# KiCad board jetson-nano-baseboard.kicad_pcb (continued)
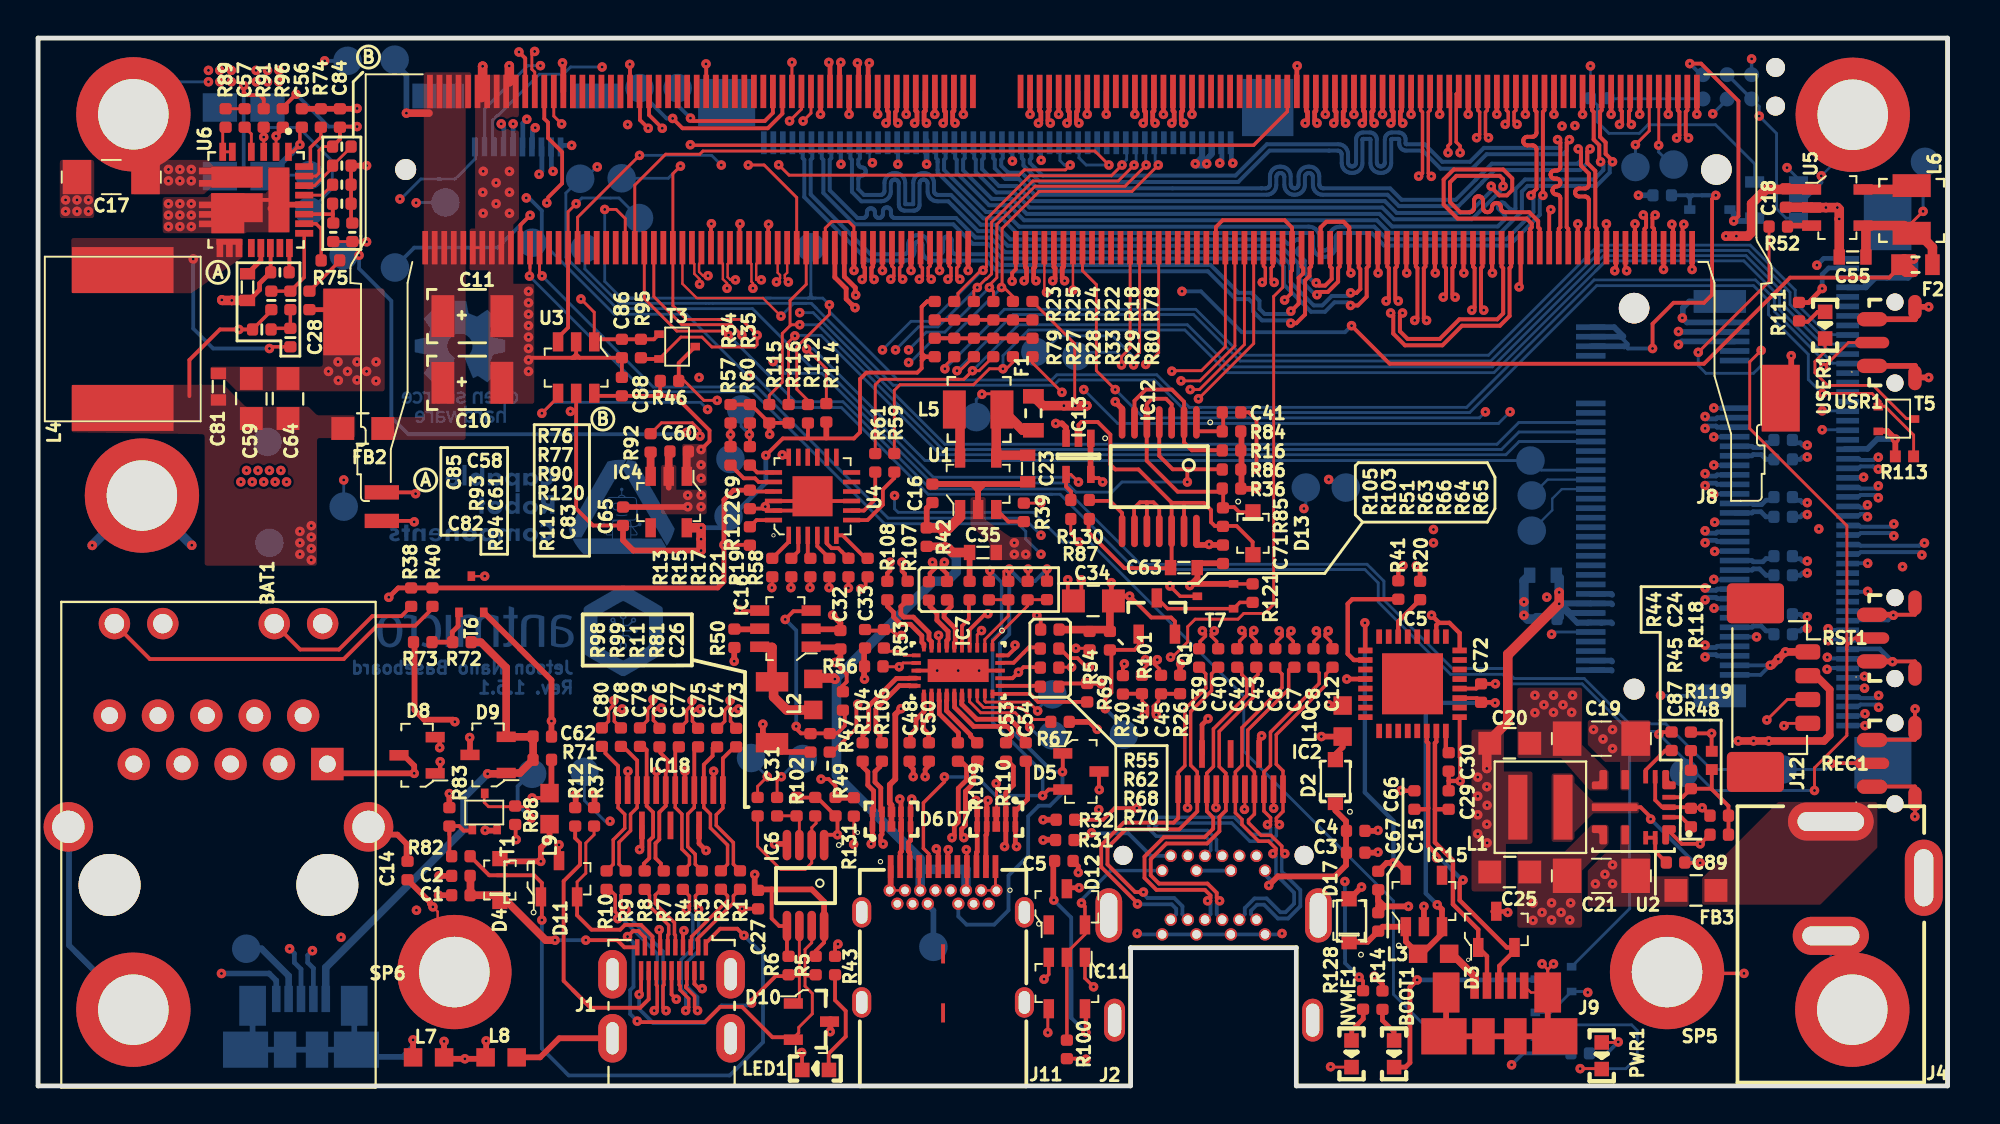
[diagram p0: board, top side]
## Routing (per net, layer and track width the routed paths; a pad name or vN(x,y) marks a point on that pad's centre or on a via; arc(x,y) is an arc through that point) (continued)
TMDS_HPD: length 63.5
  Top w0.15: M1.96 63.32,38.91 60.96,36.55 v1(60.47,36.55) ; 23.42,15.3 23.42,14.88 23.64,14.66 25.58,14.66 25.88,14.35 v1(25.88,14.05)
  In3_SIGNAL.Cu w0.15: v1(25.88,14.05) 26.57,14.73 38.28,14.73 40.84,17.3 40.84,22.28 45.84,27.29 45.84,29.04 49.25,32.44 56.82,32.44 60.35,35.97 60.35,36.42 v1(60.47,36.55)
  Bottom w0.2: v1(25.88,14.05) 25.17,14.76 25.17,15.72 25.93,16.49
UART1_RX: length 57
  Top w0.15: 25.82,42.94 M1.238 25.82,42.53 v1(25.79,42.51)
  Top w0.25: R20.2 72.54,27.11 v1(72.34,27.31)
  In5_3V3_SYS_SIGNAL.Cu w0.15: v1(72.34,27.31) 71.84,26.81 56.94,26.81 56.54,27.21 54.34,27.21 53.64,27.91 v1(52.64,27.91)
  Bottom w0.15: v1(52.64,27.91) 51.84,28.71 51.84,29.11 51.44,29.51 44.43,29.51 37.5,36.43 31.86,36.43 v1(25.79,42.51)
UART1_TX: length 55.1
  Top w0.15: 26.32,43.02 M1.236 26.32,42.65 v1(26.45,42.52)
  Top w0.23: R41.2 71.4,27.06 v1(71.64,27.31)
  In5_3V3_SYS_SIGNAL.Cu w0.15: v1(52.64,28.91) 53.14,28.41 53.64,28.41 54.44,27.61 56.64,27.61 57.14,27.11 71.44,27.11 v1(71.64,27.31)
  Bottom w0.15: v1(26.45,42.52) 32.29,36.68 37.73,36.68 44.61,29.81 51.74,29.81 v1(52.64,28.91)
USB1_D_N: length 66.5
  Top w0.25: v1(58.63,50.54) 58.51,50.66 58.51,51.12 58.57,51.19 58.57,52.2 ; J11.A7 47.75,12.38 v1(47.77,12.4)
  In2_SINGAL.Cu w0.16: J11.B7 47.1,11.15 44.13,14.12 44.13,25.9 40.8,29.24 40.8,45.33 42.71,47.24 42.71,48.97 43.15,49.41 43.15,51.32 43.89,52.06 57.86,52.06 58.46,51.46 58.46,50.71 v1(58.63,50.54)
  In3_SIGNAL.Cu w0.2: J11.B7 47.1,10.97 47.77,11.64 47.77,12.39
USB1_D_P: length 66.1
  Top w0.25: v1(58.01,50.54) 58.13,50.66 58.13,51.12 58.07,51.19 58.07,52.2 ; v1(47.15,12.44) 47.25,12.34 J11.A6
  In2_SINGAL.Cu w0.16: v1(58.01,50.54) 58.18,50.71 58.18,51.34 57.74,51.77 44.01,51.77 43.43,51.2 43.43,49.29 43,48.86 43,47.13 41.08,45.21 41.08,29.36 44.42,26.02 44.42,14.24 47.9,10.75 J11.B6
  In2_SINGAL.Cu w0.2: 47.18,12.37 47.14,12.4 47.15,12.41 v1(47.15,12.44)
  In5_3V3_SYS_SIGNAL.Cu w0.175: v1(47.15,12.44) 47.15,11.83 47.9,11.07 J11.B6
USBC_VBUS: length 41.9
  Top w0.15: 42.82,14.16 42.82,12.7 v1(42.81,12.68)
  Top w0.18: J11.B4 48.75,10.31 J11.A9 48.75,12.37 v1(48.72,12.4) ; J11.A4 46.25,10.31 J11.B9
  Top w0.3: 47.6,28.4 v1(47.77,28.22) ; 48.78,28 48.89,27.89 48.89,26.48 48.87,26.51
  Top w0.4: R42.2 47.67,28.32 v1(47.77,28.22)
  Top w0.5: L2.2 40.74,21.41 41.76,21.41 41.83,21.34 ; v1(47.77,28.22) 47.99,28 48.78,28
  In3_SIGNAL.Cu w0.15: J11.B9 46.3,10.96 45.7,11.56 43.55,11.56 42.93,12.18 42.93,12.56 v1(42.81,12.68)
  Bottom w0.5: v1(47.77,28.22) 47.77,28.17 48.2,27.75 48.2,26.98 47.71,26.5 46.99,26.5 41.91,21.41 41.91,16.31 46.3,11.91 46.3,11.37 ; J11.B4 48.7,11.37 46.3,11.37 ; 46.3,11.37 J11.B9
  vias: v1(41.82,21.35)
USBSS_RX6_N: length 30.3
  Top w0.23: 44.57,26.48 44.57,26.91 44.72,27.05 44.72,27.38 ; 45.07,52.2 45.07,51.19 45,51.11 45,50.67 v1(45.13,50.54) ; 45.07,50.57 45.13,50.51
  In2_SINGAL.Cu w0.16: v1(44.72,27.49) 44.89,27.32 44.89,27.1 44.71,26.92 44.5,26.92 42.33,29.09 42.33,44.96 43.28,45.9 43.31,45.93 43.35,45.95 43.4,45.96 43.44,45.96 43.48,45.95 43.52,45.93 43.56,45.9 43.73,45.73 43.77,45.7 43.81,45.68 43.85,45.67 43.9,45.67 43.94,45.68 43.98,45.7 44.02,45.73 44.04,45.76 44.06,45.8 44.07,45.85 44.07,45.89 44.06,45.93 44.04,45.97 44.02,46.01 43.84,46.18 43.81,46.22 43.8,46.26 43.79,46.3 43.79,46.35 43.8,46.39 43.81,46.43 43.84,46.47 44.54,47.16 44.54,49.27 44.96,49.69 44.96,50.37 v1(45.13,50.54)
USBSS_RX6_P: length 30.3
  Top w0.23: v1(44.51,50.54) 44.64,50.67 44.64,51.11 44.57,51.19 44.57,52.2 ; 45.49,26.48 45.49,26.88 45.34,27.02 45.34,27.38 ; 44.51,50.51 44.57,50.57
  In2_SINGAL.Cu w0.16: v1(45.34,27.49) 45.17,27.32 45.17,26.98 44.83,26.64 44.38,26.64 42.05,28.97 42.05,45.14 44.25,47.34 44.25,49.39 44.68,49.81 44.68,50.37 v1(44.51,50.54)
USBSS_TX6_N: length 30
  Top w0.23: 46.81,26.48 46.81,26.91 47.08,27.18 47.08,27.39 46.98,27.49 v1(46.95,27.49) ; 43.82,44 43.82,43.01 43.75,42.94 43.75,42.47 v1(43.88,42.33)
  In2_SINGAL.Cu w0.16: v1(46.95,27.49) 47.09,27.34 47.09,26.95 46.89,26.75 46.44,26.75 46.28,26.91 46.28,28.12 45.91,28.48 45.02,28.48 43.71,29.8 43.71,31.97 43.72,32 43.73,32.03 43.75,32.07 43.77,32.09 43.8,32.11 43.84,32.12 43.87,32.13 44.15,32.13 44.18,32.13 44.22,32.14 44.25,32.16 44.27,32.19 44.29,32.22 44.3,32.25 44.31,32.29 44.3,32.32 44.29,32.35 44.27,32.39 44.25,32.41 44.22,32.43 44.18,32.44 44.15,32.45 43.87,32.45 43.84,32.45 43.8,32.46 43.77,32.48 43.75,32.51 43.73,32.54 43.72,32.57 43.71,32.61 43.71,38.19 43.7,38.29 43.67,38.38 43.61,38.47 43.55,38.54 43.46,38.59 43.37,38.62 43.27,38.63 43.1,38.63 43.06,38.64 43.02,38.65 42.99,38.67 42.96,38.7 42.94,38.74 42.92,38.78 42.92,38.82 42.92,38.92 42.92,38.96 42.94,39 42.96,39.03 42.99,39.06 43.02,39.08 43.06,39.09 43.1,39.1 45.07,39.1 45.17,39.11 45.28,39.15 45.37,39.21 45.45,39.28 45.51,39.38 45.54,39.48 45.55,39.59 45.55,39.65 45.54,39.75 45.51,39.86 45.45,39.95 45.37,40.03 45.28,40.09 45.17,40.12 45.07,40.13 43.94,40.13 43.89,40.14 43.84,40.16 43.8,40.18 43.76,40.22 43.73,40.27 43.72,40.31 43.71,40.37 43.72,40.42 43.73,40.47 43.76,40.51 43.8,40.55 43.84,40.58 43.89,40.59 43.94,40.6 45.07,40.6 45.17,40.61 45.28,40.65 45.37,40.71 45.45,40.78 45.51,40.88 45.54,40.98 45.55,41.09 45.55,41.15 45.54,41.25 45.51,41.36 45.45,41.45 45.37,41.53 45.28,41.59 45.17,41.62 45.07,41.63 43.94,41.63 43.89,41.64 43.84,41.66 43.8,41.68 43.76,41.72 43.73,41.77 43.72,41.81 43.71,41.87 43.71,42.16 v1(43.88,42.33)
USBSS_TX6_P: length 30
  Top w0.23: 47.71,26.48 47.71,26.88 47.44,27.15 47.44,27.39 47.53,27.49 v1(47.57,27.49) ; v1(43.26,42.33) 43.39,42.47 43.39,42.94 43.32,43.01 43.32,44
  In2_SINGAL.Cu w0.16: v1(43.26,42.33) 43.43,42.16 43.43,41.84 43.44,41.73 43.47,41.63 43.53,41.53 43.61,41.46 43.7,41.4 43.81,41.36 43.91,41.35 45.04,41.35 45.09,41.34 45.14,41.33 45.18,41.3 45.22,41.26 45.25,41.22 45.26,41.17 45.27,41.12 45.26,41.06 45.25,41.02 45.22,40.97 45.18,40.93 45.14,40.91 45.09,40.89 45.04,40.88 43.91,40.88 43.81,40.87 43.7,40.84 43.61,40.78 43.53,40.7 43.47,40.61 43.44,40.5 43.43,40.4 43.43,40.34 43.44,40.23 43.47,40.13 43.53,40.03 43.61,39.96 43.7,39.9 43.81,39.86 43.91,39.85 45.04,39.85 45.09,39.84 45.14,39.83 45.18,39.8 45.22,39.76 45.25,39.72 45.26,39.67 45.27,39.62 45.26,39.56 45.25,39.52 45.22,39.47 45.18,39.43 45.14,39.41 45.09,39.39 45.04,39.38 43.07,39.38 42.98,39.37 42.88,39.34 42.8,39.29 42.73,39.22 42.68,39.13 42.64,39.04 42.63,38.94 42.63,38.79 42.64,38.69 42.68,38.6 42.73,38.51 42.8,38.45 42.88,38.39 42.98,38.36 43.07,38.35 43.24,38.35 43.28,38.34 43.32,38.33 43.36,38.31 43.39,38.28 43.41,38.25 43.42,38.21 43.43,38.17 43.43,29.68 44.91,28.2 45.74,28.2 45.99,27.95 45.99,26.79 46.32,26.46 47.01,26.46 47.4,26.85 47.4,27.54
USR_BUTTON: length 92.1
  Top w0.15: v1(93.72,37.72) 95.02,39.02 USR1.2 ; 40.41,35.98 39.82,36.56 39.82,38.79 41.54,40.5 v1(41.54,41) ; M1.218 30.82,45.53 30.34,46.01 v1(29.74,46.01)
  Bottom w0.15: 40.56,41.47 40.45,41.35 40.4,41.35 ; 40.56,41.47 40.56,41.59 ; 40.56,41.47 40.68,41.35 40.8,41.35 ; 31.19,41.35 38.2,41.35 ; 31.19,41.35 30.62,41.35 29.74,42.23 v1(29.74,46.01) ; 31.19,41.35 30.7,41.35 ; 38.44,41.35 38.2,41.35 ; 38.2,41.35 40.4,41.35 ; 40.4,41.35 40.6,41.35 ; 40.56,41.59 40.56,41.39 40.6,41.35 ; 40.56,41.59 40.56,44 ; 40.6,41.35 40.8,41.35 ; 40.8,41.35 41.18,41.35 v1(41.54,41) 41.54,40.65 45.13,37.05 53.2,37.05 53.47,37.33 58.72,37.33 60.43,35.62 61.03,35.62 74.99,35.62 81.67,42.31 90.14,42.31 91.13,41.32 91.13,40.66 93.72,38.07 v1(93.72,37.72)
USR_LED: length 92.4
  Top w0.125: M1.206 33.82,42.11 34.57,41.36 38.04,41.36 v1(38.99,40.41)
  Top w0.15: R113.1 98.45,34.17 96.93,35.68 96.68,35.68 96.68,35.93 96.26,36.35 v1(93.65,36.35) ; 33.79,44.03 M1.206
  Bottom w0.15: 40.31,41.08 40.59,41.08 40.83,40.83 ; 40.31,41.08 39.66,41.08 v1(38.99,40.41) ; 40.31,41.08 30.51,41.08 28.7,42.88 TP35.1 ; 40.61,41.05 40.83,40.83 ; 40.83,40.83 44.88,36.78 53.31,36.78 53.59,37.05 58.59,37.05 60.3,35.34 75.14,35.34 81.81,42.01 90.04,42.01 90.83,41.22 90.83,40.49 92.92,38.4 92.92,37.08 v1(93.65,36.35)
VSYNC_CAM1_1: length 31.6
  Top w0.15: 51.77,48.08 53.92,48.08 v1(54.18,48.34) ; 51.77,48.08 51.61,47.93 ; 51.77,48.08 51.49,47.81 39.42,47.81 v1(38.87,48.35) ; M1.228 28.32,45.59 v1(31.57,48.84)
  In2_SINGAL.Cu w0.15: v1(38.87,48.35) 38.87,48.34 38.42,47.89 36.26,47.89 35.86,48.29 v1(35.86,48.34)
  Bottom w0.15: v1(35.86,48.34) 35.35,48.84 v1(31.57,48.84) ; v1(54.18,48.34) 53.87,48.34 53.63,48.57 53.63,49.42
VSYNC_CAM1_2: length 31.7
  Top w0.15: v1(56.21,48.34) 55.47,49.07 34.9,49.07 34.73,48.91 32.94,48.91 31.32,47.28 M1.216
  Bottom w0.15: 54.63,49.42 54.63,48.72 54.63,48.72 55.01,48.34 v1(56.21,48.34)
VSYNC_CAM2_1: length 52.9
  Top w0.15: M1.114 58.82,38.48 58.19,37.85 58.16,37.87 v1(58.14,37.87)
  In2_SINGAL.Cu w0.125: v1(58.14,37.87) 57.62,38.39 56.41,38.39 55.57,37.55 55.57,37.54
  In2_SINGAL.Cu w0.15: v1(93.65,34.44) 91.87,36.22 78.1,36.22 v1(77.26,35.38) ; v1(54.89,36.55) 54.89,36.86 55.57,37.54
  Bottom w0.15: v1(54.89,36.55) 56.66,34.77 76.65,34.77 v1(77.26,35.38) ; 94.84,34.44 94.84,34.44 v1(93.65,34.44)
VSYNC_CAM2_2: length 48.2
  Top w0.15: v1(56.54,36.55) 55.55,37.54 55.55,42.06 54.82,42.79 M1.130
  In2_SINGAL.Cu w0.15: v1(75.97,35.38) 77.14,36.55 92.53,36.55 v1(93.65,35.43)
  Bottom w0.15: 94.84,35.44 94.84,35.43 v1(93.65,35.43) ; v1(75.97,35.38) 75.65,35.07 58.02,35.07 56.54,36.55 v1(56.54,36.55)
Net-(BOOT1-PadA): length 1.9
  Top w0.25: 70.57,4.02 70.57,3.44 71.17,2.84 71.17,2.39 BOOT1.A
Net-(BOOT1-PadK): length 11.5
  Top w0.25: BOOT1.K 71.77,0.99 72.01,1.22 72.01,5.18 v1(72.39,5.56)
  Bottom w0.25: v1(72.39,5.56) 78.43,5.56
Net-(C1-Pad2): length 11
  Top w0.2: v1(28.75,7.65) 30.4,7.65 30.77,7.28 J1.19
  Top w0.4: 22.69,11.02 22.69,10.01 22.74,9.96 ; v1(27.14,7.65) 26.64,7.65 24.29,10.01 C1.2
  Bottom w0.2: v1(28.75,7.65) v1(27.14,7.65)
Net-(C3-Pad2): length 9
  Top w0.3: 68.09,14.95 68.09,14.45 68.65,13.89 68.65,11.58 68.07,11 65.07,11 v1(64.6,10.52)
  Bottom w0.22: v1(64.6,10.52) 64.65,10.58 64.65,10.84 64.4,11.09 J2.20
Net-(C23-Pad1): length 9.5
  Top w0.15: L5.2 50.59,35.96 50.22,36.33 49.54,36.33
  Top w0.5: C23.1 50.44,33.11 U1.4 50.29,35.21 L5.2 51.68,34.42 F1.1
  Bottom w0.15: 49.54,36.33 49.24,36.03 TP5.1
  vias: v1(49.54,36.31)
Net-(C24-Pad2): length 1
  Top w0.2: C24.2 R45.1
Net-(C28-Pad2): length 2.3
  Top w0.18: C28.2 15.83,43.3 R75.2
Net-(C30-Pad2): length 1.2
  Top w0.23: C30.2 73.89,17.64 73.89,18.63
Net-(C31-Pad2): length 5.4
  Top w0.5: L2.1 39.29,19.73 38.61,20.42 38.61,21.13 C31.2 38.52,23.02 38.12,23.02
Net-(C55-Pad1): length 10.8
  Top w0.15: v1(98.94,45.91) 98.34,45.31 L6.2
  Top w0.5: F2.2 99.43,44.02 98.69,44.76 L6.2 97.94,45.16 U5.4 95.94,45.01 C55.1
  Bottom w0.15: TP8.1 98.94,48.41 v1(98.94,45.91)
Net-(C57-Pad2): length 1
  Top w0.15: C57.2 R89.1
Net-(C61-Pad2): length 4.3
  Top w0.18: 13.97,44.76 13.97,42.44 C61.2 R93.2
Net-(C62-Pad2): length 26.7
  Top w0.4: v1(23.59,16.38) 24.53,16.38 D9.1 25.29,16.42 25.98,17.12 25.98,18.34 25.97,18.32 D9.2 24.57,21.96 23.24,23.29 22.73,23.29
  Bottom w0.4: J5.1 15.1,6.21 22.36,13.47 22.36,15.14 v1(23.59,16.38)
Net-(IC4-Pad3): length 1.3
  Top w0.406: R92.1 32.15,32
Net-(IC5-Pad2): length 6.4
  Top w0.23: R41.1 68.98,25.55 68.74,25.31 68.74,22.68 69.06,22.36 IC5.2
Net-(IC5-Pad30): length 2.4
  Top w0.23: IC5.30 71.39,24.37 R20.1
Net-(IC6-Pad2): length 7.7
  Top w0.15: 37.77,14.18 37.77,12.57 38.99,11.35 40.26,11.35 40.61,11.7 IC6.2 40.61,12.65 40.61,13.56 40.83,13.79 40.83,14.18
Net-(IC6-Pad3): length 2.6
  Top w0.15: 39.96,12.64 39.96,14.03 39.81,14.18 38.79,14.18
Net-(IC7-Pad3): length 7.2
  Top w0.15: v1(54.47,22.97) 55.25,22.97 55.27,22.98 ; v1(49.52,23.9) 49.29,23.68 IC7.3
  In2_SINGAL.Cu w0.15: v1(49.52,23.9) 49.54,23.93 53.51,23.93 v1(54.47,22.97)
Net-(IC7-Pad4): length 5.9
  Top w0.2: v1(52.43,24.7) 52.63,24.5 52.63,23.81 ; v1(49.85,24.78) 49.73,24.78 48.89,23.95 IC7.4
  In2_SINGAL.Cu w0.2: 52.34,24.62 52.17,24.78 v1(49.85,24.78) ; v1(52.43,24.7) 52.36,24.63 52.36,24.6
Net-(IC7-Pad5): length 2.7
  Top w0.2: IC7.5 48.49,24.14 48.86,24.5 48.86,25.48 48.89,25.52
Net-(IC7-Pad11): length 1.7
  Top w0.15: IC7.11 45.45,22.6 45.23,22.82 44.56,22.82 44.47,22.9
Net-(IC7-Pad29): length 2.5
  Top w0.2: 52.61,23.02 52.01,23.02 51.73,22.74 51.73,22.74 51.2,22.21 50.5,22.21 IC7.29
Net-(IC12-Pad2): length 8.6
  Top w0.2: IC12.6 57.55,35.96 58.14,36.55 59.51,36.55 60.15,35.91 IC12.2 60.15,33.78 60.56,33.36 62.2,33.36
Net-(IC12-Pad8): length 2.9
  Top w0.2: IC12.8 56.9,30.07 56.26,30.71 55.16,30.71
Net-(IC12-Pad10): length 5.5
  Top w0.2: IC12.11 58.85,30.33 58.54,30.63 58.19,30.63 ; IC12.9 57.53,29.15 57.53,30.33 57.83,30.63 58.19,30.63 ; IC12.10 58.2,30.62 58.19,30.63
Net-(IC16-Pad3): length 10.9
  Top w0.2: 40.32,24.92 39.65,24.92 v1(39.21,24.49) ; v1(39.79,18.87) 39.79,18.76 40.04,18.51 41.94,18.51 42.34,18.91 42.34,19.51 42.21,19.64
  Bottom w0.2: v1(39.79,18.87) 39.79,23.91 v1(39.21,24.49)
Net-(IC16-Pad4): length 26.7
  Top w0.2: 40.1,0.91 40.1,1.59 40.08,1.62 v1(40.08,1.75) ; 38.12,24.92 36.88,24.92 v1(36.83,24.97)
  In2_SINGAL.Cu w0.2: v1(40.08,1.75) 40.08,9.93 37.44,12.57 37.44,23.81 36.83,24.42 v1(36.83,24.97)
Net-(IC16-Pad5): length 1.6
  Top w0.3: 36.54,23.97 38.12,23.97 38.12,23.97
Net-(J1-Pad16): length 17.3
  Top w0.15: 28.19,13 28.19,13.64
  Top w0.2: 29,4.1 31.6,4.1 32.05,4.55 J1.16 ; 29,4.1 27.59,5.51 27.59,10.75 28.45,11.61 28.45,12.75 28.19,13 R12.2 ; 29,4.1 28.06,5.04
Net-(J3-Pad12): length 8.7
  Top w0.2: R38.1 19.07,24.66 17.54,24.66 15.79,22.91 13.76,22.91 J3.12
Net-(J3-Pad14): length 18.7
  Top w0.2: J3.14 5.87,22.41 16.04,22.41 17.79,24.16 19.79,24.16 20.7,25.06 R40.2
Net-(J5-Pad4): length 4
  Bottom w0.35: J5.4 13.15,5.78 11.73,7.2 TP22.1
Net-(J8-Pad10): length 35.9
  Top w0.15: NVME1.K 67.86,0.99 v1(67.84,1.01)
  Top w0.25: NVME1.K 68.96,0.97
  In3_SIGNAL.Cu w0.15: v1(79.44,23.71) 71.34,23.71 69.74,22.11 69.74,11.51 70.19,11.06 70.19,9.26 68.04,7.11 68.04,1.21 v1(67.84,1.01)
  Bottom w0.15: v1(79.44,23.71) 79.56,23.82 J8.10
Net-(J8-Pad40): length 4.4
  Bottom w0.125: J8.40 79.98,31.32 79.48,30.82 79.48,30.22 TP20.1
Net-(J8-Pad42): length 3.4
  Bottom w0.125: TP7.1 79.23,31.82 J8.42
Net-(J9-Pad1): length 2.3
  Top w0.4: J9.1 75.4,5.74 74.21,6.93 L3.1
Net-(J11-PadB8): length 2.3
  Bottom w0.3: 46.69,9.5 46.99,9.2 TP19.1
Net-(L5-Pad1): length 2.7
  Top w0.5: U1.5 48.39,35.21 L5.1
Net-(L6-Pad1): length 2.6
  Top w0.5: U5.5 98.14,47.06 L6.1
Net-(LED1-PadA): length 5.5
  Top w0.2: 41.5,0.91 41.5,1.7 42.39,2.59 42.39,3.94 41.83,4.5 41.83,5.77
Net-(M1-Pad9): length 4.3
  Top w0.15: v1(85.06,49.38) 85.07,49.38 M1.9
  Bottom w0.15: 85.85,48.24 85.06,49.02 v1(85.06,49.38)
Net-(M1-Pad11): length 4.3
  Top w0.15: M1.11 84.57,50.13 v1(83.84,49.4)
  Bottom w0.15: TP4.1 v1(83.84,49.4)
Net-(M1-Pad118): length 12.6
  Top w0.15: v1(57.5,37.85) 57.5,38.18 57.82,38.49 M1.118
  Bottom w0.15: v1(57.5,37.85) 57.5,38.25 56.39,39.37 53.59,39.37 52.53,38.3
Net-(M1-Pad120): length 9.3
  Top w0.15: v1(56.87,37.85) 56.87,38.28 57.32,38.73 M1.120
  Bottom w0.15: TP6.1 54.71,38.51 56.64,38.51 56.87,38.28 v1(56.87,37.85)
Net-(NVME1-PadA): length 1.9
  Top w0.25: 69.56,4.1 69.56,3.52 68.95,2.92 68.95,2.47 ; 68.93,2.39 NVME1.A
Net-(PWR1-PadA): length 2.6
  Top w0.15: PWR1.A 82.92,2.28 v1(82.94,2.31)
  Bottom w0.2: 81.43,1.71 82.34,1.71 v1(82.94,2.31)
Net-(PWR1-PadK): length 9.4
  Top w0.15: v1(80.94,0.91) 82.05,0.91 PWR1.K
  Top w0.25: 82.04,0.91 PWR1.K
  Bottom w0.15: T4.3 83.64,3.21 83.94,2.91 83.94,1.51 83.34,0.91 v1(80.94,0.91)
Net-(Q1-Pad3): length 5.5
  Top w0.18: R121.2 63.08,25.38 T7.1 59.29,25.05 Q1.3
  Top w0.2: Q1.3 58.72,25.68
Net-(R13-Pad2): length 1.7
  Top w0.2: U4.1 39.4,28.56 R13.2
  Top w0.25: 38.54,27.69 38.54,27.86
Net-(R15-Pad2): length 1.4
  Top w0.2: R15.2 39.9,28.06 U4.2
  Top w0.25: 39.53,27.69 39.54,27.69
Net-(R17-Pad2): length 1.3
  Top w0.2: R17.2 40.4,27.83 U4.3
  Top w0.25: 40.54,27.69 40.59,27.74
Net-(R18-Pad1): length 5.1
  Top w0.2: 52.19,40.21 47.06,40.21
Net-(R19-Pad2): length 2.1
  Top w0.2: U4.5 41.4,28.47 41.64,28.23 42,28.23 R19.2
  Top w0.25: 42.54,27.69 42.54,27.88
Net-(R21-Pad2): length 1.5
  Top w0.2: R21.2 40.9,28.33 U4.4
Net-(R27-Pad1): length 5.1
  Top w0.2: 52.19,39.24 47.06,39.24
Net-(R39-Pad1): length 1.7
  Top w0.2: R39.1 50.93,29.62 U1.3
Net-(R49-Pad1): length 26
  Top w0.18: R49.1 41.7,17.52 42.95,18.77 ; v1(59.41,26.24) 59.95,25.7 T7.3
  Top w0.2: 42.95,18.77 42.95,19.89 43.07,20.01
  In3_SIGNAL.Cu w0.15: 42.87,20.28 42.87,20.19 v1(43.02,20.04)
  In3_SIGNAL.Cu w0.2: v1(59.41,26.24) 58.19,25.02 54.84,25.02 54.45,25.4 45.41,25.4 42.87,22.86 42.87,20.28
Net-(R52-Pad1): length 1.3
  Top w0.3: 91.83,45.11 91.88,45.16 U5.3
Net-(R57-Pad1): length 2.6
  Top w0.2: U4.20 37.82,31.7 37.63,31.89 37.04,31.89 R57.1
Net-(R58-Pad2): length 2.1
  Top w0.2: U4.6 42.23,28.9 43.44,27.69
  Top w0.25: 43.44,27.69 43.44,27.74
Net-(R59-Pad2): length 3.9
  Top w0.2: R59.2 44.94,31.91 44.34,31.31 44.34,30.51 43.54,29.7 U4.7
Net-(R60-Pad1): length 1.6
  Top w0.15: 37.36,32.59 37.49,32.46
  Top w0.2: R60.1 37.75,32.2 U4.19
Net-(R61-Pad2): length 2.9
  Top w0.2: R61.2 43.94,30.79 43.35,30.2 U4.8
Net-(R72-Pad2): length 2.7
  Top w0.25: 20.67,23.29 21.77,23.29 21.74,23.32 21.74,23.83 22.04,24.13 22.04,24.81
Net-(R82-Pad2): length 3.4
  Top w0.15: R83.1 21.59,13.64
  Top w0.2: 21.59,13.64 21.59,13.64 22.1,13.64 22.33,13.4 22.77,13.4 22.81,13.36 ; 21.59,13.21 R83.1 21.59,12.18 R82.2
Net-(R111-Pad1): length 1.6
  Top w0.2: 92.43,40.16 92.48,40.11 92.89,40.11 93.41,40.63 USER1.A
Net-(R122-Pad2): length 1.4
  Top w0.2: R122.2 37.71,29.7 U4.24
Net-(R132-Pad2): length 5.4
  Bottom w0.15: 87.39,51.82 87.39,51.53 ; 82.45,51.84 82.47,51.82 85.95,51.82 ; TP30.2 87.38,51.82 85.95,51.82 ; 85.95,51.82 86.13,51.82
Net-(T5-Pad3): length 8.3
  Top w0.15: USER1.K 93.8,38.56 93.27,38.02 93.27,37.43 93.93,36.77 96.33,36.77 98.07,35.03 98.58,35.03

## Copper pours and planes (outline as drawn; the poured copper is in the pictures)
3V3_SYS on Top: 76.94,16.51 78.44,16.51 78.44,12.71 77.04,12.71 77.04,10.21 75.24,10.21 75.24,18.71 76.94,18.71
3V3_SYS on Bottom: 84.5,38.78 84.5,21.61 82.44,21.61 82.5,39.98 83,39.98
3V3_SYS on In5_3V3_SYS_SIGNAL.Cu: 76.74,12.31 76.74,20.01 73.54,23.21 59.24,23.21 56.84,25.6 41.7,25.6 39.34,27.94 39.34,34.24 38.8,34.78 35.64,34.78 35.34,34.51 35.34,28.31 37.87,25.86 38.78,24.92 38.81,13.78 39.79,12.78 42.06,12.78 43.1,13.79 43.1,14.86 45.11,16.87 69.94,16.91 74.54,12.31
5V0_SYS on Top: 10.89,35.66 14.19,35.66 14.64,35.21 16.64,35.21 16.64,34.01 14.64,34.01 14.64,27.31 8.74,27.31 8.74,34.21 1.74,34.31 1.74,36.81 9.74,36.81
5V0_SYS on Top: 35.1,31.5 33.8,31.5 33.8,33.7 35.1,33.7
5V0_SYS on Bottom: 10.95,27.27 14.64,27.27 14.64,29.73 10.95,29.73
5V0_SYS on In1_5V0_SYS_VIN.Cu: 63.3,48.42 63.3,46.2 63.31,46.16 63.32,46.12 63.35,46.09 63.38,46.07 63.42,46.05 63.46,46.05 89.04,46.05 90.67,44.41 90.67,43.59 90.68,43.55 90.69,43.51 90.72,43.48 90.75,43.46 90.79,43.44 90.83,43.44 93.89,43.44 94.03,43.3 94.03,41.62 93.89,41.48 90.83,41.48 90.79,41.47 90.75,41.46 90.72,41.43 90.69,41.4 90.68,41.36 90.67,41.33 90.68,41.31 90.68,19.84 90.68,19.8 90.7,19.76 90.72,19.73 91.29,19.17 91.29,17.57 89.09,15.38 89.07,15.35 89.05,15.31 89.05,15.27 89.05,0.51 66.66,0.51 66.66,7.4 66.65,7.49 66.62,7.59 66.57,7.68 66.51,7.76 66.43,7.82 66.34,7.87 66.25,7.9 66.15,7.91 64.79,7.91 64.79,8.5 58.59,8.5 58.59,7.91 57.26,7.91 57.16,7.9 57.06,7.87 56.97,7.82 56.9,7.76 56.83,7.68 56.79,7.59 56.76,7.49 56.75,7.4 56.75,0.51 0.51,0.51 0.51,46 8.63,46 8.63,31.36 8.64,31.32 8.65,31.28 8.68,31.25 8.71,31.23 8.75,31.21 8.79,31.21 14.63,31.21 14.67,31.21 14.7,31.23 14.73,31.25 14.76,31.28 14.77,31.32 14.78,31.36 14.78,46.05 60.58,46.05 60.62,46.05 60.65,46.07 60.68,46.09 60.71,46.12 60.72,46.16 60.73,46.2 60.73,48.4 61.05,48.72 63,48.72
/Supply/3V3_SW on Top: 80.64,15.91 81.64,14.91 84.04,14.91 84.04,14.31 81.64,14.31 80.64,13.31 80.64,12.81 79.44,12.81 79.44,16.41 80.64,16.41
/Supply/3V3_VIN on Top: 81.34,11.31 82.24,12.21 83.04,12.21 83.04,13.71 83.54,13.71 83.54,12.21 84.64,12.21 84.64,11.01 86.64,11.01 86.64,9.41 81.34,9.41
/Supply/3V3_VIN on Top: 84.64,17.01 83.54,17.01 83.54,15.51 83.04,15.51 83.04,17.01 82.24,17.01 81.34,17.91 81.34,19.21 84.64,19.21
/Supply/3V3_VIN on In5_3V3_SYS_SIGNAL.Cu: 83.04,10.31 81.34,10.31 81.34,19.01 83.04,19.01
/Supply/5V_SW on Top: 10.74,43.51 8.04,41.61 1.74,41.61 1.74,44.51 10.74,44.51
/Supply/5V_VIN on Top: 9.24,48.26 11.79,48.26 11.79,47.16 9.07,47.16 8.72,46.81 4.89,46.81 4.89,48.61 8.89,48.61
/Supply/5V_VIN on Bottom: 12.94,47.01 6.54,47.01 6.54,48.26 6.94,48.51 12.94,48.51
GND on Top: 2.94,48.61 1.14,48.61 1.14,45.56 2.94,45.56
GND on Top: 13.19,44.81 10.94,44.81 10.89,44.76 6.54,44.76 6.54,46.66 8.89,46.66 9.09,46.86 11.94,46.86 12.09,47.01 12.09,48.21 13.19,48.21
GND on Top: 18.19,36.46 10.44,36.46 9.84,37.06 9.04,37.06 9.04,37.76 14.94,37.76 14.94,41.86 18.19,41.86
GND on Top: 49.74,29.71 51.04,28.81 52.14,28.81 52.14,27.61 49.94,27.61 49.94,28.51 48.94,29.41 48.94,30.91 49.74,30.91
GND on Top: 80.14,12.31 81.54,13.71 82.44,13.71 82.44,12.71 81.04,11.31 81.04,8.31 77.64,8.31 77.64,12.31
GND on Top: 81.04,17.91 82.44,16.51 82.44,15.51 81.44,15.51 79.94,17.21 77.64,17.21 77.64,20.91 81.04,20.91
GND on Top: 33.5,31.3 35.1,31.3 35.1,30 32.7,30 32.7,32.6 33.5,32.6
GND on Top: 25.23,53.08 22.94,53.08 22.94,45.01 22.64,45.01 22.64,42.81 23.64,42.81 23.64,35.81 26.04,35.81 26.04,42.11 24.94,42.11 24.94,45.21 25.24,45.51
GND on Bottom: 10.44,50.61 8.64,50.61 8.64,53.66 10.44,53.66
GND on In4_GND.Cu: 99.72,0.51 66.66,0.51 66.66,7.4 66.65,7.49 66.62,7.59 66.57,7.68 66.51,7.76 66.43,7.82 66.34,7.87 66.25,7.9 66.15,7.91 64.79,7.91 64.79,8.5 58.59,8.5 58.59,7.91 57.26,7.91 57.16,7.9 57.06,7.87 56.97,7.82 56.9,7.76 56.83,7.68 56.79,7.59 56.76,7.49 56.75,7.4 56.75,0.51 39.02,0.51 39.02,7.75 39.01,7.85 39,8.6 38.8,8.8 38.75,8.8 28.05,8.75 28.02,10.9 28.01,10.95 27.98,10.99 27.94,11.02 27.89,11.03 25.99,11.03 25.94,11.02 25.9,10.99 25.88,10.95 25.87,10.9 25.87,0.51 18.78,0.51 19.4,1.13 19.42,1.16 19.43,1.2 19.43,25.03 19.44,25.05 19.45,25.1 19.44,25.15 19.42,25.19 19.37,25.22 19.33,25.23 0.51,25.23 0.51,54.49 99.72,54.49
GND on In6_GND.Cu: 99.74,0.51 66.68,0.51 66.68,7.4 66.67,7.49 66.64,7.59 66.59,7.68 66.53,7.76 66.45,7.82 66.36,7.87 66.27,7.9 66.17,7.91 64.81,7.91 64.81,8.5 58.61,8.5 58.61,7.91 57.28,7.91 57.18,7.9 57.08,7.87 56.99,7.82 56.92,7.76 56.85,7.68 56.8,7.59 56.78,7.49 56.77,7.4 56.77,0.51 39.04,0.51 39.04,7.8 39.03,7.85 39,7.89 38.8,8.09 38.76,8.12 38.71,8.13 28.04,8.13 28.04,10.9 28.03,10.95 28,10.99 27.96,11.02 27.91,11.03 26.01,11.03 25.96,11.02 25.92,10.99 25.9,10.95 25.89,10.9 25.89,0.51 18.8,0.51 19.42,1.13 19.44,1.16 19.45,1.2 19.45,25.03 19.46,25.05 19.47,25.1 19.46,25.15 19.44,25.19 19.39,25.22 19.35,25.23 0.53,25.23 0.53,54.49 99.74,54.49
VDD_MOD on Top: 22.44,33.91 17.54,33.91 17.54,35.11 20.24,35.11 20.24,53.21 22.74,53.21 22.74,51.31 22.44,51.31
VIN on Top: 96.54,12.51 93.54,9.51 87.34,9.51 87.34,10.91 91.34,14.91 96.54,14.91
VIN on Bottom: 12.94,50.61 11.14,50.61 11.14,53.66 12.94,53.66
VIN on Bottom: 10.38,31.33 13.8,31.33 13.8,34.84 10.38,34.84
VIN on In1_5V0_SYS_VIN.Cu: 99.72,0.51 89.35,0.51 89.35,15.21 91.54,17.4 91.57,17.44 91.58,17.47 91.59,17.51 91.59,19.23 91.58,19.27 91.57,19.3 91.54,19.33 90.98,19.9 90.98,41.17 93.95,41.17 93.99,41.18 94.03,41.19 94.06,41.22 94.29,41.45 94.31,41.48 94.33,41.52 94.33,41.55 94.33,43.36 94.33,43.4 94.31,43.43 94.29,43.47 94.06,43.69 94.03,43.72 93.99,43.73 93.95,43.74 90.98,43.74 90.98,44.48 90.97,44.52 90.96,44.55 90.93,44.58 89.21,46.3 89.18,46.33 89.15,46.34 89.11,46.35 63.61,46.35 63.61,48.48 63.6,48.52 63.59,48.55 63.56,48.59 63.17,48.98 63.14,49 63.1,49.02 63.07,49.02 60.98,49.02 60.94,49.02 60.91,49 60.88,48.98 60.47,48.57 60.45,48.54 60.43,48.5 60.42,48.46 60.42,46.35 14.75,46.35 14.73,46.36 14.7,46.39 14.67,46.4 14.63,46.41 14.59,46.4 14.55,46.39 14.52,46.36 14.5,46.33 14.48,46.29 14.48,46.26 14.48,31.51 8.94,31.51 8.94,46.15 8.93,46.19 8.92,46.23 8.89,46.26 8.86,46.28 8.82,46.3 8.79,46.3 0.51,46.3 0.51,54.49 99.72,54.49
(no net) on In1_5V0_SYS_VIN.Cu: 58.59,7 64.79,7 64.79,8.5 58.59,8.5
(no net) on In1_5V0_SYS_VIN.Cu: 60.39,10.9 63.79,10.9 63.79,11.7 60.39,11.7
(no net) on In4_GND.Cu: 58.59,7 64.79,7 64.79,8.5 58.59,8.5
(no net) on In4_GND.Cu: 60.39,10.9 63.79,10.9 63.79,11.7 60.39,11.7
EGND on In4_GND.Cu: 19.22,1.24 18.49,0.51 0.51,0.51 0.51,24.97 19.22,24.97
EGND on In6_GND.Cu: 19.22,1.24 18.49,0.51 0.51,0.51 0.51,24.97 19.22,24.97
HDMI_SHIELD on In4_GND.Cu: 27.8,8.6 27.9,8.5 38.8,8.5 38.77,7.75 38.77,0.51 26.12,0.51 26.12,10.77 27.8,10.77
HDMI_SHIELD on In6_GND.Cu: 27.77,8 27.78,7.95 27.8,7.91 27.84,7.88 27.89,7.87 38.64,7.87 38.77,7.75 38.77,0.51 26.12,0.51 26.12,10.77 27.77,10.77

## Text on the board
Bottom: Jetson Nano Baseboard / Rev. 1.5.1
B.Mask: Jetson Nano Baseboard / Rev. 1.5.1
B.SilkS: 5V_SYS | VIN | GND | 1 | CSI
Dwgs.User: Recommended PCB finish: | Gold plating (ENIG, selective) | Solder mask: matt black | Silkscreen: white | The design includes high speed signaling | Suggested prepreg material is ISOLA PR2116 | Layer | 1 | 2 | 3 | 4 | 5 | 6 | 7 | 8 | 9 | 10 | 11 | 12 | 13 | 14 | 15 | 16 | 17 | Name | Top Solder | Top Layer | Dielectric 1 | Signal 1 | Dielectric 2 | Signal 2 | Dielectric 3 | Signal 3 | Dielectric 4 | Signal 4 | Dielectric 5 | Signal 5 | Dielectric 6 | Signal 6 | Dielectric 7 | Bottom Layer | Bottom Solder | Material | Solder Resist | Copper | Prepreg | FR-4 | Thickness | 0.02  mm | 0.018 mm | 0.12  mm | 0.035 mm | 0.2   mm | 0.24  mm | Constant | 3.5 | 4.2 | Recommended PCB stackup
F.SilkS: A | B
